# KiCad board ESP32C6-dev-board.kicad_pcb
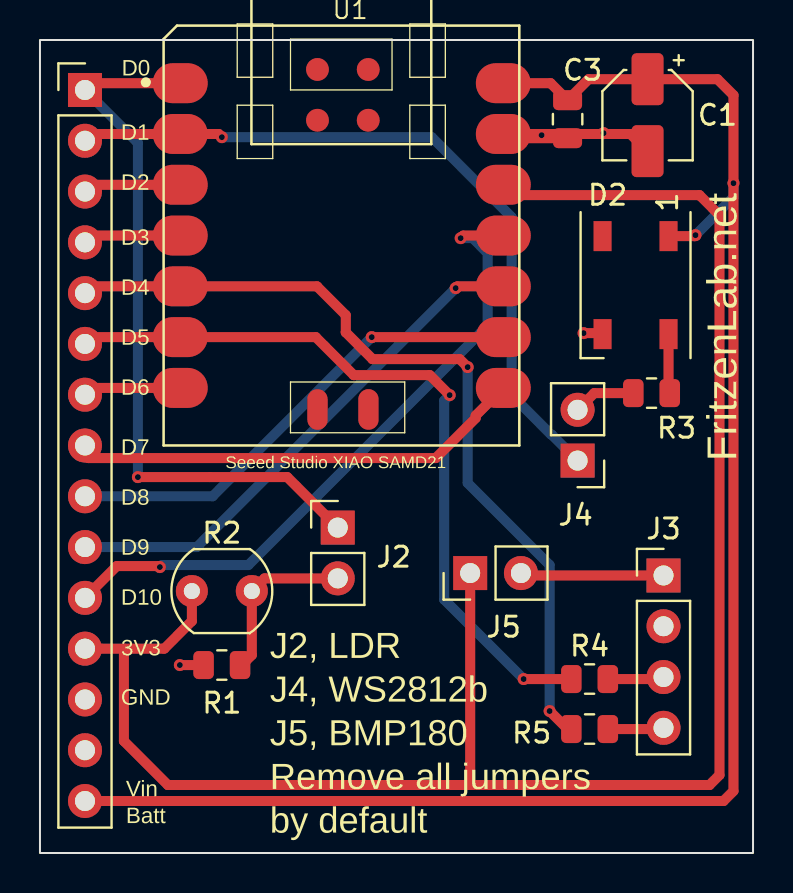
[diagram p0: board, top side]
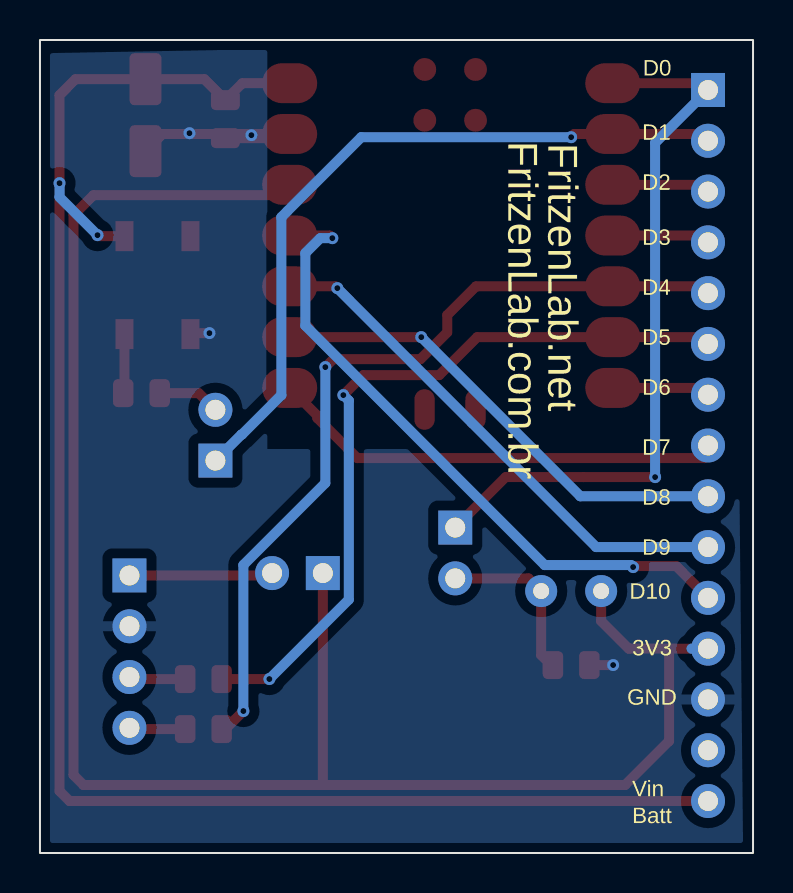
[diagram p1: board, bottom side, seen from below]

Outline 35.68 x 40.66 mm; copper layers: Top, Bottom. Coordinates in mm from the lower left corner of the outline.
Outline path: rectangle 0,40.66 35.68,0

## Placement (name value [footprint] x y rotation side)
C1  10u  [CP_Elec_4x5.4]  30.4 36.9 270 top
C3  100n  [C_0805_2012Metric]  26.4 36.7 270 top
D2  WS2812B  [LED_WS2812B_PLCC4_5.0x5.0mm_P3.2mm]  29.8 28.4 270 top
J1  Conn_01x15_Pin  [PinHeader_1x15_P2.54mm_Vertical]  2.25 38.16 0 top
J2  Conn_01x02_Pin  [PinHeader_1x02_P2.54mm_Vertical]  14.9 16.28 0 top
J3  Conn_01x04_Pin  [PinHeader_1x04_P2.54mm_Vertical]  31.2 13.88 0 top
J4  Conn_01x02_Pin  [PinHeader_1x02_P2.54mm_Vertical]  26.9 19.62 180 top
J5  Conn_01x02_Pin  [PinHeader_1x02_P2.54mm_Vertical]  21.52 14 90 top
R1  470  [R_0805_2012Metric]  9.1 9.4 0 top
R2  R_Photo  [R_LDR_5.0x4.1mm_P3mm_Vertical]  7.6 13.1 0 top
R3  470  [R_0805_2012Metric]  30.6 23 180 top
R4  330  [R_0805_2012Metric]  27.5 8.7 0 top
R5  330  [R_0805_2012Metric]  27.5 6.2 0 top
U1  Seeed Studio XIAO SAMD21  [Seeeduino XIAO-MOUDLE14P-2.54-21X17.8MM]  6.19 20.38 0 top

## Library data of the parts
C1 = -: Description: Polarized capacitor; ki_fp_filters: CP_*
C3 = -: Description: Unpolarized capacitor; ki_fp_filters: C_*
D2 = -: Datasheet: https://cdn-shop.adafruit.com/datasheets/WS2812B.pdf; Description: RGB LED with integrated controller; ki_fp_filters: LED*WS2812*PLCC*5.0x5.0mm*P3.2mm*
J1 = -: Description: Generic connector, single row, 01x15, script generated; ki_fp_filters: Connector*:*_1x??_*
J2 J4 J5 = -: Description: Generic connector, single row, 01x02, script generated; ki_fp_filters: Connector*:*_1x??_*
J3 = -: Description: Generic connector, single row, 01x04, script generated; ki_fp_filters: Connector*:*_1x??_*
R1 R3-R5 = -: Description: Resistor; ki_fp_filters: R_*
R2 = -: Description: Photoresistor; ki_fp_filters: *LDR* R?LDR*

## Footprints (pads in the part's own frame, mm; a bottom-side part is the same pattern mirrored in y, then rotated)
C_0805_2012Metric
  rrect 1x1.45 smd: 1(-0.95,0) 2(0.95,0)
CP_Elec_4x5.4
  rrect 2.6x1.6 smd: 1(-1.8,0) 2(1.8,0)
LED_WS2812B_PLCC4_5.0x5.0mm_P3.2mm
  rect 1.5x0.9 smd: 1(-2.45,1.65) 2(-2.45,-1.65) 3(2.45,-1.65) 4(2.45,1.65)
PinHeader_1x02_P2.54mm_Vertical
  rect 1.7x1.7 hole 1: 1(0,0)
  oval 1.7x1.7 hole 1: 2(0,-2.54)
PinHeader_1x04_P2.54mm_Vertical
  rect 1.7x1.7 hole 1: 1(0,0)
  oval 1.7x1.7 hole 1: 2(0,-2.54) 3(0,-5.08) 4(0,-7.62)
PinHeader_1x15_P2.54mm_Vertical
  rect 1.7x1.7 hole 1: 1(0,0)
  oval 1.7x1.7 hole 1: 2(0,-2.54) 3(0,-5.08) 4(0,-7.62) 5(0,-10.16) 6(0,-12.7) 7(0,-15.24) 8(0,-17.78) 9(0,-20.32) 10(0,-22.86) 11(0,-25.4) 12(0,-27.94) 13(0,-30.48) 14(0,-33.02) 15(0,-35.56)
R_0805_2012Metric
  rrect 1.025x1.4 smd: 1(-0.912,0) 2(0.912,0)
R_LDR_5.0x4.1mm_P3mm_Vertical
  round 1.6 hole 0.8: 1(0,0) 2(3,0)
Seeeduino XIAO-MOUDLE14P-2.54-21X17.8MM
  oval 2.748x1.999 smd: 1(0.833,18.118) 2(0.833,15.578) 3(0.833,13.038) 4(0.833,10.498) 5(0.833,7.958) 6(0.833,5.418) 7(0.833,2.878) 8(16.998,2.878) 9(16.998,5.418) 10(16.998,7.958) 11(16.998,10.498) 12(16.998,13.038) 13(16.998,15.578) 14(16.998,18.118)
  oval 1.016x2.032 smd: 15(7.7,1.8) 16(10.25,1.8)
  round 1.143 smd: 17(7.699,18.804) 18(10.239,18.804) 19(7.699,16.264) 20(10.239,16.264)

## Nets
3V3: J1.12 J5.1 R2.1 U1.12
GND: C1.2 C3.2 D2.3 J1.13 J3.2 R1.1 U1.13
VIN: C1.1 C3.1 D2.1 J1.15 U1.14
D0-A0: J1.1 J2.1 U1.1
D1-A1: J1.2 J4.1 U1.2
D2-A2: J1.3 U1.3
D3: J1.4 U1.4
D4-SDA: J1.5 R5.1 U1.5
D5-SCL: J1.6 R4.1 U1.6
D6-TX: J1.7 U1.7
D7-RX: J1.8 U1.8
D8-SCK: J1.9 U1.9
D9-MISO: J1.10 U1.10
D10-MOSI: J1.11 U1.11
Net-(D2-DIN): D2.4 R3.1
Net-(J2-Pin_2): J2.2 R1.2 R2.2
Net-(J3-Pin_1): J3.1 J5.2
Net-(J3-Pin_3): J3.3 R4.2
Net-(J3-Pin_4): J3.4 R5.2
Net-(J4-Pin_2): J4.2 R3.2

Pads without a net: D2 2; J1 14; U1 15 16 17 18 19 20

## Via types
v1: diameter 0.6, hole 0.3, Top to Bottom, 16 vias

## Routing (per net, layer and track width the routed paths; a pad name or vN(x,y) marks a point on that pad's centre or on a via; arc(x,y) is an arc through that point)
3V3: length 94.4
  Top w0.5: 23.26,33.5 U1.12 23.7,32.9 33,32.9 34,31.9 34,3.9 33.5,3.4 21.5,3.4 ; 4.2,10.22 6.22,10.22 7.6,11.6 R2.1 ; 4.2,10.22 J1.12 ; 4.2,10.22 4.2,5.6 6.4,3.4 21.5,3.4 ; 21.5,3.4 21.52,3.42 J5.1
  Bottom w0.5: 1.8,10.22 3.08,10.22
GND: length 13.1
  Top w0.5: D2.3 28.1,26 v1(27.2,26) ; C1.2 29.54,35.96 28.24,35.96 v1(28.2,36) 28.16,35.96 25.16,35.96 v1(25.1,35.9) 25.04,35.96 U1.13 23.39,35.75 C3.2 ; R1.1 v1(7,9.4)
VIN: length 84.8
  Top w0.5: D2.1 32.75,30.85 v1(32.8,30.9) ; U1.14 25.55,38.5 C3.1 27.45,38.7 C1.1 33.9,38.7 34.7,37.9 v1(34.7,33.5) 34.7,3.1 34.2,2.6 J1.15
  Bottom w0.5: v1(34.7,33.5) 34.7,32.8 v1(32.8,30.9)
D0-A0: length 37.2
  Top w0.5: 7.29,38.23 U1.1 2.14,38.5 1.8,38.16 ; J2.1 12.37,18.8 v1(4.9,18.8)
  Bottom w0.5: J1.1 4.9,35.51 v1(4.9,18.8)
D1-A1: length 37.2
  Top w0.5: v1(9.1,35.8) 8.94,35.96 U1.2 2.14,35.96 1.8,35.62
  Bottom w0.5: J4.1 25.6,20.92 25.58,20.92 23.6,22.9 23.6,31.8 19.6,35.8 v1(9.1,35.8)
D2-A2: length 5.4
  Top w0.5: U1.3 2.14,33.42 1.8,33.08
D3: length 5.4
  Top w0.5: 1.8,30.54 2.14,30.88 U1.4
D4-SDA: length 42.6
  Top w0.5: v1(21.4,24.3) 21,24.7 16.64,24.7 15.3,26.04 15.3,26.9 13.86,28.34 U1.5 ; 1.8,28 2.14,28.34 U1.5 ; R5.1 26.4,6.2 v1(25.5,7.1) ; U1.5 7.39,28.34
  Bottom w0.5: v1(21.4,24.3) 21.4,18.5 25.5,14.4 v1(25.5,7.1)
D5-SCL: length 38.4
  Top w0.5: v1(24.2,8.7) R4.1 ; 1.8,25.46 2.14,25.8 U1.6 13.8,25.8 15.7,23.9 19.5,23.9 v1(20.5,22.9)
  Bottom w0.5: v1(20.5,22.9) 20.23,22.62 20.23,12.67 v1(24.2,8.7)
D6-TX: length 5.4
  Top w0.5: 1.8,22.92 2.14,23.26 U1.7
D7-RX: length 23.2
  Top w0.5: 1.8,20.38 2.43,19.75 19.8,19.75 21.8,21.75 21.8,21.88 U1.8
D8-SCK: length 24.2
  Top w0.5: v1(16.6,25.8) U1.9
  Bottom w0.5: J1.9 8.64,17.84 v1(16.6,25.8)
D9-MISO: length 26.8
  Top w0.5: U1.10 20.89,28.34 v1(20.8,28.25)
  Bottom w0.5: v1(20.8,28.25) 7.85,15.3 1.8,15.3
D10-MOSI: length 33.3
  Top w0.5: U1.11 21.18,30.88 v1(21.05,30.75) ; J1.11 3.84,14.35 5.95,14.35 v1(6,14.3)
  Bottom w0.5: v1(21.05,30.75) 21.65,30.75 22.4,30 22.4,26.38 10.42,14.4 6.1,14.4 v1(6,14.3)
Net-(D2-DIN): length 3
  Top w0.5: R3.1 31.45,23.06 D2.4
Net-(J2-Pin_2): length 8.6
  Top w0.5: R1.2 10.1,9.4 10.6,9.9 R2.2 11.23,13.73 J2.2
Net-(J3-Pin_1): length 7.2
  Top w0.5: J3.1 24.18,13.88 J5.2
Net-(J3-Pin_3): length 2.8
  Top w0.5: R4.2 31.1,8.7 J3.3
Net-(J3-Pin_4): length 2.8
  Top w0.5: J3.4 31.14,6.2 R5.2
Net-(J4-Pin_2): length 3.1
  Top w0.5: R3.2 27.73,23 J4.2

## Copper pours and planes (outline as drawn; the poured copper is in the pictures)
GND on Bottom: 24.3,40.2 24.3,20.2 0.7,20.2 0.5,0.5 35.4,0.5 35.4,40

## Text on the board
B.Silkscreen: GND | D1 | D2 | D3 | D4 | D5 | D6 | D7 | D8 | D9 | Vin / Batt | D10 | D0 | 3V3 | FritzenLab.net | FritzenLab.com.br
F.Silkscreen: GND | D1 | D2 | D3 | D4 | D5 | D6 | D7 | D8 | D9 | D10 | Vin / Batt | D0 | 3V3 | J2, LDR / J4, WS2812b / J5, BMP180 / Remove all jumpers / by default | FritzenLab.net
